# Altium PCB FlightControlBoard.PcbDoc (part 2 of 3)
Units mm, origin at the board's own origin, x right, y up, seen from the top; angles counter-clockwise.
Board outline 24.4 x 39.4 mm, 6 copper layers (Top Layer, Layer 1, Layer 2, Layer 3, Layer 4, Bottom Layer), stack 0.98 mm thick; 258 components, 219 nets, 961 pads, 811 vias.
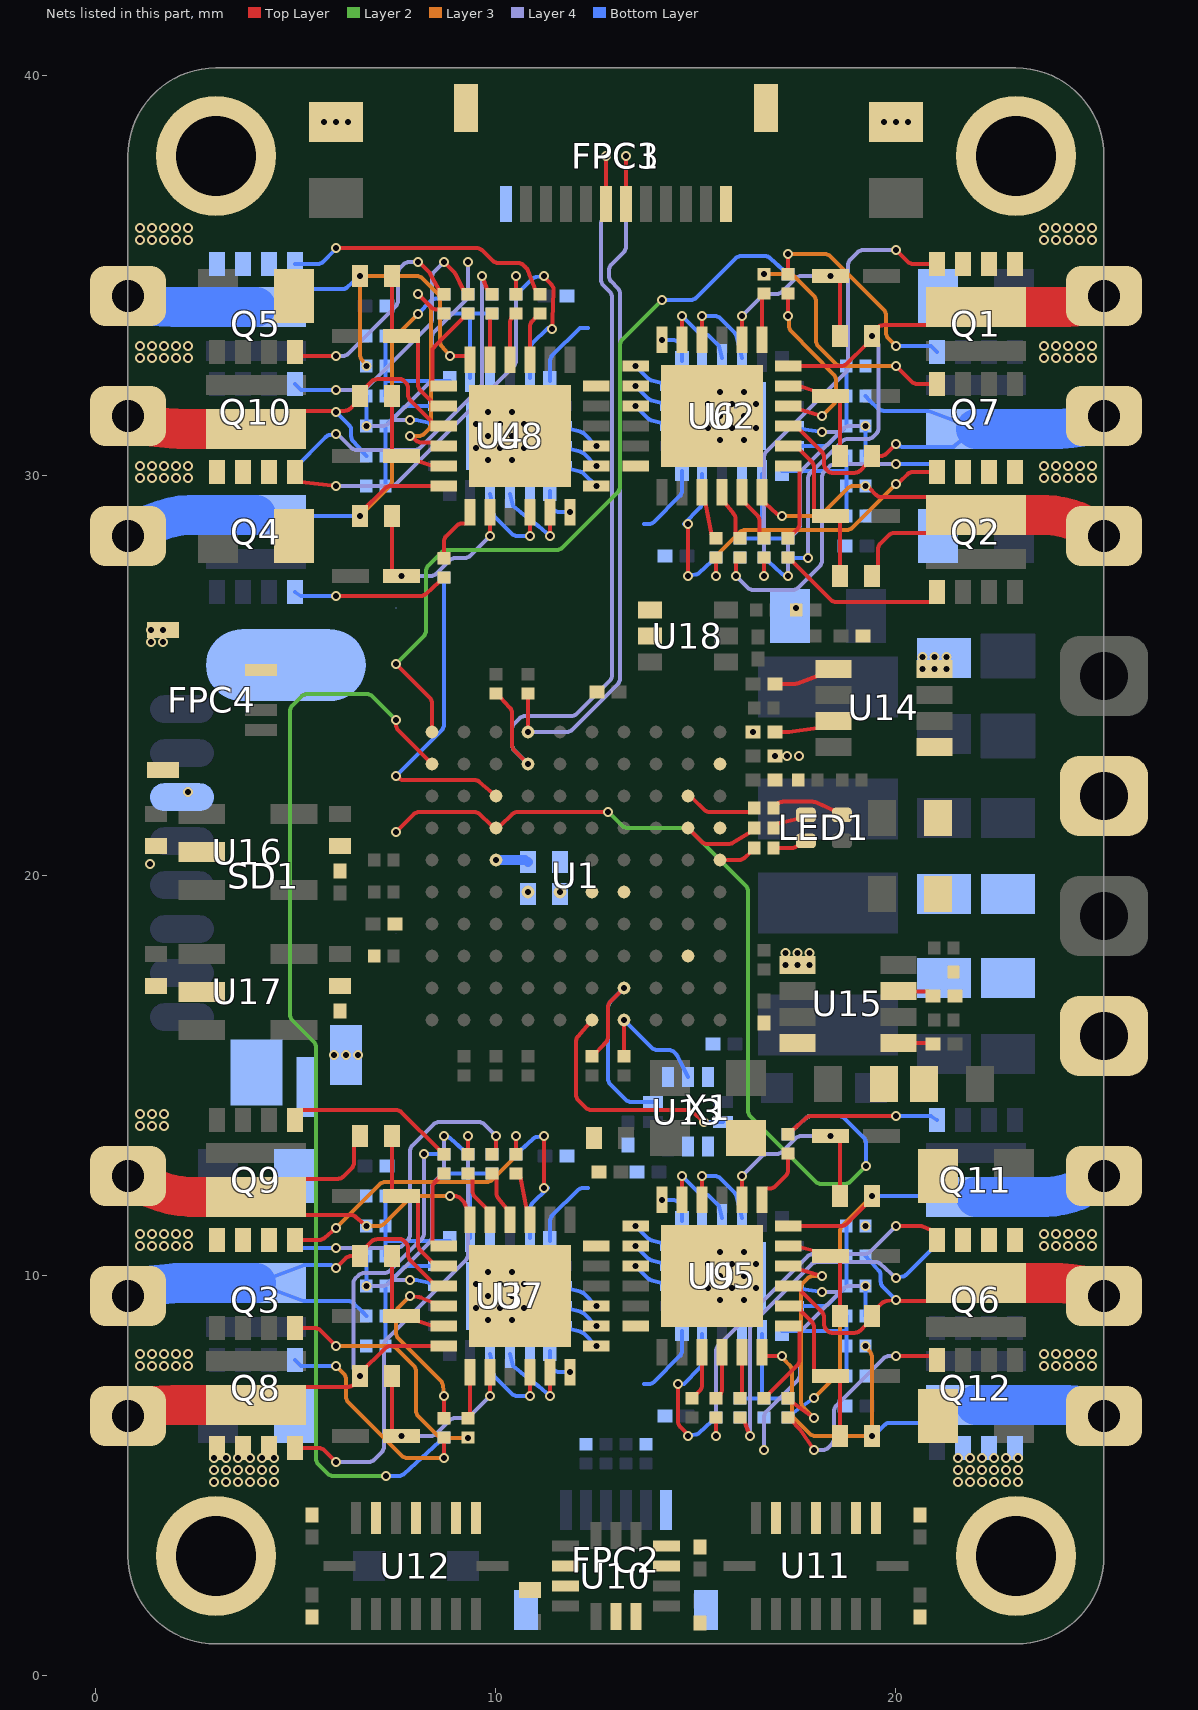
[diagram p6: the nets of this part, all layers, seen from the top]

## Via types
v1: diameter 0.25, hole 0.15, Top Layer to Bottom Layer, tented both sides, 811 vias

## Nets (pads, with @x,y where several pads share a name; then routed paths per layer and width w, separated by ;. In a path a pad name is that pad's centre, name@x,y a point inside that pad or via, vN(x,y) a via of type N, cw(c..) or ccw(c..) an arc to the next point about the centre after c; other vN are vias at no path point) (continued)
GND: C1.2 C2.2 C3.1 C4.1 C5.1 C6.1 C7.1 C8.1 C9.2 C10.2 C11.2 C12.2 C13.1 C14.1 C15.1 C16.1 C29.2 C30.2 C31.2 C32.2 C33.2 C34.1 C35.1 C36.1 C37.2 C38.2 C39.2 C40.2 C41.2 C42.2 C43.1 C45.1 C47.2 C48.2 C49.2 C50.2 C51.2 C52.2 C53.2 C54.2 C56.2 C57.2 C58.2 C59.2 C60.2 C61.2 C62.2 C63.2 C64.2 C65.2 C66.2 C67.2 C68.2 C69.2 C70.2 C71.2 C72.2 C73.2 FPC1.12 FPC1.13 FPC1.14 FPC2.6 FPC2.7 FPC2.8 FPC3.12 FPC3.13 FPC3.14 FPC4.4 FPC4.5 FPC4.6 H1.1 H2.1 H3.1 H4.1 P29.1 P31.1 P32.1 Q1.5 Q1.6 Q1.7 Q2.5 Q2.6 Q2.7 Q3.5 Q3.6 Q3.7 Q4.5 Q4.6 Q4.7 Q5.5 Q5.6 Q5.7 Q6.5 Q6.6 Q6.7 Q7.5 Q7.6 Q7.7 Q8.5 Q8.6 Q8.7 Q9.5 Q9.6 Q9.7 Q10.5 Q10.6 Q10.7 Q11.5 Q11.6 Q11.7 Q12.5 Q12.6 Q12.7 R2.2 R27.1 R29.1 R31.1 R33.1 R35.1 R37.1 R39.1 R41.1 R43.1 R45.1 R47.1 R49.1 R83.1 R84.2 R87.1 R88.1 R93.1 SD1.6 SD1.9 SD1.10 SD1.11 U1.C2 U1.E4 U1.E5 U1.E6 U1.G1 U1.J1 U2.3 U2.12 U2.21 U3.3 U3.12 U3.21 U4.3 U4.12 U4.21 U5.3 U5.12 U5.21 U6.6 U6.25 U7.6 U7.25 U8.6 U8.25 U9.6 U9.25 U10.2 U10.3 U10.6 U10.7 U10.10 U10.11 U11.2 U11.4 U11.6 U11.7 U12.2 U12.4 U12.6 U12.7 U13.3 U13.5 U13.8 U13.9 U14.1 U14.4 U15.1 U15.4 U16.2 U17.2 U18.1 U18.2 X1.2
  other v1: 2.95,4.85 3.25,4.85 3.55,4.85 3.85,4.85 4.15,4.85 4.45,4.85 21.55,4.85 21.85,4.85 22.15,4.85 22.45,4.85 22.75,4.85 23.05,4.85 2.95,5.15 3.25,5.15 3.55,5.15 3.85,5.15 4.15,5.15 4.45,5.15 21.55,5.15 21.85,5.15 22.15,5.15 22.45,5.15 22.75,5.15 23.05,5.15 2.95,5.45 3.25,5.45 3.55,5.45 3.85,5.45 4.15,5.45 4.45,5.45 21.55,5.45 21.85,5.45 22.15,5.45 22.45,5.45 22.75,5.45 23.05,5.45 1.1,7.75 1.4,7.75 1.7,7.75 2,7.75 2.3,7.75 23.7,7.75 24,7.75 24.3,7.75 24.6,7.75 24.9,7.75 1.1,8.05 1.4,8.05 1.7,8.05 2,8.05 2.3,8.05 23.7,8.05 24,8.05 24.3,8.05 24.6,8.05 24.9,8.05 9.799,8.9 10.399,8.9 9.499,9.2 10.099,9.2 10.699,9.2 15.601,9.4 16.201,9.4 9.799,9.5 10.399,9.5 15.301,9.7 15.901,9.7 16.501,9.7 9.499,9.8 10.099,9.8 10.699,9.8 15.601,10 16.201,10 9.799,10.1 10.399,10.1 15.301,10.3 15.901,10.3 16.501,10.3 15.601,10.6 16.201,10.6 1.1,10.75 1.4,10.75 1.7,10.75 2,10.75 2.3,10.75 23.7,10.75 24,10.75 24.3,10.75 24.6,10.75 24.9,10.75 1.1,11.05 1.4,11.05 1.7,11.05 2,11.05 2.3,11.05 23.7,11.05 24,11.05 24.3,11.05 24.6,11.05 24.9,11.05 19.242,11.25 1.1,13.75 1.4,13.75 1.7,13.75 1.1,14.05 1.4,14.05 1.7,14.05 5.95,15.52 6.25,15.52 6.55,15.52 17.24,17.775 17.54,17.775 17.84,17.775 17.24,18.075 17.54,18.075 17.84,18.075 11.6,19.6 1.35,20.3 2.3,22.1 16.974,23 17.274,23 17.574,23 16.426,23.6 20.66,25.175 20.96,25.175 21.26,25.175 20.66,25.475 20.96,25.475 21.26,25.475 1.375,25.85 1.675,25.85 1.375,26.15 1.675,26.15 17.5,26.7 1.1,29.95 1.4,29.95 1.7,29.95 2,29.95 2.3,29.95 23.7,29.95 24,29.95 24.3,29.95 24.6,29.95 24.9,29.95 1.1,30.25 1.4,30.25 1.7,30.25 2,30.25 2.3,30.25 23.7,30.25 24,30.25 24.3,30.25 24.6,30.25 24.9,30.25 9.799,30.4 10.399,30.4 9.499,30.7 10.099,30.7 10.699,30.7 15.601,30.9 16.201,30.9 9.799,31 10.399,31 15.301,31.2 15.901,31.2 16.501,31.2 9.499,31.3 10.099,31.3 10.699,31.3 15.601,31.5 16.201,31.5 9.799,31.6 10.399,31.6 15.301,31.8 15.901,31.8 16.501,31.8 15.601,32.1 16.201,32.1 1.1,32.95 1.4,32.95 1.7,32.95 2,32.95 2.3,32.95 23.7,32.95 24,32.95 24.3,32.95 24.6,32.95 24.9,32.95 1.1,33.25 1.4,33.25 1.7,33.25 2,33.25 2.3,33.25 23.7,33.25 24,33.25 24.3,33.25 24.6,33.25 24.9,33.25 1.1,35.9 1.4,35.9 1.7,35.9 2,35.9 2.3,35.9 23.7,35.9 24,35.9 24.3,35.9 24.6,35.9 24.9,35.9 1.1,36.2 1.4,36.2 1.7,36.2 2,36.2 2.3,36.2 23.7,36.2 24,36.2 24.3,36.2 24.6,36.2 24.9,36.2 5.7,38.85 6,38.85 6.3,38.85 19.7,38.85 20,38.85 20.3,38.85
I2C1_Data_Ready: U1.A5 U13.7 | length 6
  Top Layer w0.1: U1.A5@12.4,16.4 12.048,15.987 ccw(c12.2,15.858) 12,15.858 12,14.533 ccw(c12.2,14.533) 12.058,14.392 12.242,14.208 ccw(c12.383,14.35) 12.383,14.15 14.781,14.15 cw(c14.781,13.95) 14.912,14.101 v1(15.2,13.85)
  Bottom Layer w0.1: v1(15.2,13.85) 15.471,13.85 U13.7@15.671,13.85
I2C1_SCL: R75.1 U1.B4 U13.2 | length 5.8
  Top Layer w0.1: R75.1@12.4,15.492 12.512,15.593 12.745,15.835 ccw(c12.6,15.973) 12.8,15.973 12.8,16.717 cw(c13,16.717) 12.859,16.859 v1(13.2,17.2)
  Bottom Layer w0.1: v1(13.2,17.2) 12.856,16.844 ccw(c13,16.705) 12.8,16.705 12.8,14.933 ccw(c13,14.933) 12.858,14.792 13.242,14.408 ccw(c13.383,14.55) 13.383,14.35 13.729,14.35 U13.2@13.929,14.35
I2C1_SDA: R74.1 U1.A4 U13.4 | length 3.2
  Top Layer w0.1: R74.1@13.2,15.492 13.2,15.593 v1(13.2,16.4)
  Bottom Layer w0.1: v1(13.2,16.4) 13.891,15.709 ccw(c14.033,15.85) 14.033,15.65 14.317,15.65 cw(c14.317,15.45) 14.459,15.591 14.496,15.554 cw(c14.355,15.412) 14.534,15.502 14.7,15.169 U13.4@14.8,14.969
I2C2_SCL: FPC1.6 R77.1 U1.J7 | length 20.3
  Top Layer w0.1: R77.1@10,24.558 R77.1@10.112,24.457 ; R77.1@10.112,24.456 10.344,24.215 cw(c10.2,24.077) 10.4,24.077 10.4,23.283 ccw(c10.6,23.283) 10.458,23.142 v1(10.8,22.8) ; FPC1.6@12.75,37 12.75,37.2 v1(12.75,38)
  Layer 4 w0.1: v1(10.8,22.8) 10.458,23.142 cw(c10.6,23.283) 10.4,23.283 10.4,23.667 cw(c10.6,23.667) 10.458,23.808 10.592,23.942 cw(c10.733,23.8) 10.733,24 11.884,24 ccw(c11.884,24.2) 12.025,24.058 12.842,24.875 ccw(c12.7,25.016) 12.9,25.016 12.9,34.467 ccw(c12.7,34.467) 12.841,34.609 12.684,34.766 cw(c12.825,34.908) 12.625,34.908 12.625,36.309 cw(c12.825,36.309) 12.683,36.451 12.692,36.459 ccw(c12.55,36.6) 12.75,36.6 v1(12.75,38)
I2C2_SDA: FPC1.7 R76.1 U1.K7 | length 18.2
  Top Layer w0.1: v1(10.8,23.6) 10.8,24.457 R76.1@10.8,24.558 ; FPC1.7@13.25,37 13.25,37.2 v1(13.25,38)
  Layer 4 w0.1: v1(10.8,23.6) 11.767,23.6 ccw(c11.767,23.8) 11.908,23.658 13.042,24.792 ccw(c12.9,24.933) 13.1,24.933 13.1,34.558 ccw(c12.9,34.558) 13.041,34.699 12.884,34.856 cw(c13.025,34.998) 12.825,34.998 12.825,35.142 cw(c13.025,35.142) 12.883,35.283 13.192,35.592 ccw(c13.05,35.733) 13.25,35.733 v1(13.25,38)
LED_BLUE: R3.2 U1.H2 | length 1.8
  Top Layer w0.1: U1.H2@14.8,22 14.802,22 cw(c14.775,21.802) 14.917,21.943 15.201,21.659 ccw(c15.342,21.8) 15.342,21.6 16.357,21.6 R3.2@16.458,21.7
LED_GREEN: R4.2 U1.G2 | length 1.9
  Top Layer w0.1: U1.G2@14.8,21.2 ccw(c14.962,21.317) 14.82,21.176 15.138,20.858 ccw(c15.279,21) 15.279,20.8 15.817,20.8 ccw(c15.817,21) 15.919,20.828 16.357,21.088 R4.2@16.458,21.2
LED_RED: R5.2 U1.F1 | length 1
  Top Layer w0.1: U1.F1@15.6,20.4 ccw(c15.604,20.6) 15.604,20.4 16.077,20.4 ccw(c16.077,20.6) 16.214,20.454 16.357,20.588 R5.2@16.458,20.7
M1_AIN: R14.2 R26.1 R27.2 U2.2 | length 2.8
  Bottom Layer w0.1: R27.2@16.1,28.442 R14.2@16.7,28.442 ; U2.2@16.651,30.05 16.651,28.543 R14.2@16.7,28.442 ; R26.1@17.3,28.442 R14.2@16.7,28.442
M1_BIN: R15.2 R34.1 R35.2 U2.20 | length 3.1
  Bottom Layer w0.1: U2.20@17.351,30.75 18.186,30.75 ccw(c18.186,30.95) 18.327,30.808 18.657,31.138 R15.2@18.758,31.25 R35.2@18.758,32.75
M1_C: R14.1 R15.1 R16.1 U2.19 | length 7.6
  Layer 4 w0.1: v1(17.3,27.5) 17.3,28.317 cw(c17.5,28.317) 17.358,28.458 17.542,28.642 ccw(c17.4,28.783) 17.6,28.783 17.6,30.017 cw(c17.8,30.017) 17.658,30.158 18.6,31.1 ; v1(18.15,31.1) 18.6,31.1 ; v1(19.242,31.25) 18.833,31.25 ccw(c18.833,31.05) 18.692,31.192 18.6,31.1
  Bottom Layer w0.1: R14.1@16.7,27.958 16.812,27.857 17.135,27.564 ccw(c17.27,27.712) 17.226,27.516 v1(17.3,27.5) ; U2.19@17.351,31.25 17.651,31.175 v1(18.15,31.1) ; R16.1@19.242,30.5 v1(19.242,31.25)
M1_C2CK: P4.1 R6.2 U2.5 | length 3.6
  Top Layer w0.1: v1(14.8,27.5) v1(14.8,28.8)
  Bottom Layer w0.1: P4.1@14.7,28.8 15.093,29.193 ccw(c14.952,29.334) 15.152,29.334 U2.5@15.152,30.05 ; v1(14.8,27.5) 14.983,27.532 ccw(c14.949,27.729) 15.083,27.581 15.388,27.857 R6.2@15.5,27.958
M1_C2D: P5.1 U2.6 | length 1.8
  Bottom Layer w0.1: P5.1@13.7,28.8 13.819,28.8 ccw(c13.818,29) 13.945,28.846 14.593,29.493 ccw(c14.451,29.634) 14.651,29.634 U2.6@14.651,30.123
M1_CIN: R16.2 R42.1 R43.2 U2.1 | length 3.1
  Bottom Layer w0.1: U2.1@17.152,30.123 18.733,30.123 ccw(c18.732,30.323) 18.758,30.125 ; R43.2@18.758,29 18.758,30.125 ; R16.2@18.758,30.5 18.758,30.125
M1_HIN1: U2.14 U6.22 | length 2.2
  Top Layer w0.1: U6.22@15.15,33.408 15.15,33.69 15.15,33.996 ccw(c14.95,33.996) v1@15.15,33.999
  Bottom Layer w0.1: v1(15.15,34) 15.467,34 cw(c15.467,33.8) 15.609,33.941 15.963,33.587 cw(c15.821,33.446) 16.015,33.495 16.077,33.25 U2.14@16.152,32.95
M1_HIN2: U2.13 U6.23 | length 2.1
  Top Layer w0.1: U6.23@14.65,33.408 14.65,33.69 v1@14.65,33.999
  Bottom Layer w0.1: v1(14.65,34) 15.042,33.608 ccw(c15.183,33.75) 15.184,33.55 15.194,33.55 cw(c15.194,33.35) 15.335,33.491 15.537,33.289 15.576,33.25 U2.13@15.651,32.95
M1_HIN3: U2.11 U6.24 | length 0.9
  Bottom Layer w0.1: v1(14.15,33.4) 14.421,33.4 cw(c14.421,33.2) 14.562,33.341 14.591,33.313 cw(c14.449,33.171) 14.649,33.173 14.65,33.077 U2.11@14.651,32.877
M1_HO1: R50.2 U6.19 | length 1.2
  Top Layer w0.1: U6.19@16.65,33.408 16.65,34.457 R50.2@16.7,34.558
M1_HO2: R62.2 U6.16 | length 4.5
  Top Layer w0.1: v1(17.3,34) R62.2@17.3,34.558 ; U6.16@17.308,31.75 17.59,31.66 v1(18.15,31.5)
  Layer 3 w0.1: v1@17.301,33.999 cw(c17.129,33.897) 17.329,33.897 17.329,33.754 ccw(c17.529,33.754) 17.387,33.613 18.443,32.534 cw(c18.3,32.394) 18.5,32.394 18.5,31.933 cw(c18.3,31.933) 18.442,31.792 v1(18.15,31.5)
M1_HO3: R51.2 U6.13 | length 2
  Top Layer w0.1: R51.2@17.3,28.442 17.412,28.543 17.532,28.663 ccw(c17.39,28.804) 17.59,28.804 17.59,30.16 U6.13@17.5,30.25
M1_LIN1: U2.10 U6.1 | length 1.1
  Bottom Layer w0.1: v1(13.492,32.75) 13.802,32.44 ccw(c13.943,32.583) 13.894,32.389 14.149,32.325 U2.10@14.449,32.25
M1_LIN2: U2.9 U6.2 | length 1.1
  Bottom Layer w0.1: v1(13.492,32.25) 13.802,31.941 ccw(c13.943,32.083) 13.894,31.889 14.149,31.825 U2.9@14.449,31.75
M1_LIN3: U2.8 U6.3 | length 1.1
  Bottom Layer w0.1: v1(13.492,31.75) 13.802,31.44 ccw(c13.943,31.583) 13.894,31.389 14.149,31.325 U2.8@14.449,31.25
M1_LO1: R56.2 U6.11 | length 1.2
  Top Layer w0.1: U6.11@16.15,29.4 16.24,29.31 16.529,29.021 cw(c16.388,28.879) 16.588,28.879 16.588,28.543 R56.2@16.7,28.442
M1_LO2: R68.2 U6.10 | length 1.3
  Top Layer w0.1: U6.10@15.65,29.592 U6.10@15.74,29.31 ; U6.10@15.74,29.309 15.944,29.054 cw(c15.788,28.929) 15.988,28.929 15.988,28.543 R68.2@16.1,28.442
M1_LO3: R57.2 U6.9 | length 1.2
  Top Layer w0.1: U6.9@15.15,29.592 15.24,29.31 15.388,28.543 R57.2@15.5,28.442
M1_PWM: P12.1 R10.2 U1.K10 | length 19.3
  Top Layer w0.1: v1(7.5,25.3) 8.341,24.459 cw(c8.2,24.317) 8.4,24.317 U1.K10@8.4,23.6
  Layer 2 w0.1: v1(7.5,25.3) 8.192,25.992 ccw(c8.05,26.133) 8.25,26.133 8.25,27.617 cw(c8.45,27.617) 8.308,27.758 8.642,28.092 cw(c8.783,27.95) 8.783,28.15 11.517,28.15 ccw(c11.517,28.35) 11.658,28.208 13.042,29.592 ccw(c12.9,29.733) 13.1,29.733 13.1,33.267 cw(c13.3,33.267) 13.158,33.408 v1(14.15,34.4)
  Bottom Layer w0.1: v1(14.15,34.4) 14.867,34.4 ccw(c14.867,34.6) 15.008,34.458 15.992,35.442 cw(c16.133,35.3) 16.133,35.5 16.717,35.5 cw(c16.717,35.3) 16.852,35.448 17.188,35.143 R10.2@17.3,35.042
M1_VB1: C17.2 D1.1 U6.20 | length 4.8
  Top Layer w0.1: U6.20@16.15,33.408 16.15,33.69 16.15,33.996 ccw(c15.95,33.996) v1(16.15,34) ; v1(18.365,35) 18.6,34.87 C17.2@18.6,33.5
  Layer 4 w0.1: v1(16.15,34) 16.642,34.492 cw(c16.783,34.35) 16.783,34.55 17.017,34.55 ccw(c17.017,34.75) 17.158,34.608 17.492,34.942 cw(c17.633,34.8) 17.633,35 v1(18.365,35)
M1_VB2: C18.2 D2.1 U6.17 | length 2.7
  Top Layer w0.1: U6.17@17.308,32.25 17.59,32.243 U6.17@17.616,32.234 ; U6.17@17.617,32.234 17.95,32.13 D2.1@18.365,32 18.6,31.87 C18.2@18.6,30.5
M1_VB3: C19.2 D3.1 U6.14 | length 3.9
  Top Layer w0.1: U6.14@17.5,30.75 17.59,30.66 17.891,30.359 cw(c17.75,30.217) 17.95,30.217 17.95,29.13 18.47,29 18.6,28.87 C19.2@18.6,27.5
M1_VS1: C17.1 P16.1 Q1.10 R26.2 U6.18 | length 15.8
  Top Layer w0.1: U6.18@17.308,32.75 18.637,32.75 ccw(c18.637,32.95) 18.778,32.808 19.25,33.28 v1(19.4,33.5) 19.4,33.57 19.55,33.72 19.559,33.727 cw(c19.683,33.57) 19.683,33.77 21.468,33.77 Q1.10@22,34.22
  Top Layer w1: Q1.10@22,34.22 24.178,34.22 ccw(c24.178,36.22) 24.3,34.224 24.75,34.25 P16.1@25.2,34.5
  Layer 4 w0.1: v1@17.8,27.948 17.8,29.934 cw(c18,29.934) 17.858,30.075 18.65,30.867 cw(c18.791,30.725) 18.791,30.925 19.293,30.925 ccw(c19.293,31.125) 19.434,30.983 19.508,31.057 ccw(c19.367,31.198) 19.567,31.198 19.567,33.249 ccw(c19.367,33.249) 19.509,33.39 v1(19.4,33.5)
  Bottom Layer w0.1: R26.2@17.3,27.958 17.412,27.95 v1(17.8,27.95)
M1_VS2: C18.1 P22.1 Q7.10 R34.2 U6.15 | length 11.9
  Top Layer w0.1: U6.15@17.5,31.25 17.59,31.16 18.141,30.609 cw(c18,30.467) 18.2,30.467 18.2,30.301 ccw(c18.4,30.301) 18.258,30.16 18.293,30.125 ccw(c18.4,30.23) 18.4,30.08 18.967,30.08 ccw(c18.967,30.28) 19.108,30.138 19.25,30.28 C18.1@19.4,30.5 19.617,30.5 ccw(c19.617,30.7) 19.758,30.558 v1(20,30.8)
  Bottom Layer w0.1: R34.2@19.242,32 19.343,31.888 19.555,31.685 ccw(c19.693,31.83) 19.693,31.63 20.8,31.63 Q7.10@22,31.18 21.433,30.73 21.363,30.73 20.153,30.73 cw(c20.153,30.93) 20.011,30.789 v1(20,30.8)
  Bottom Layer w1: Q7.10@22,31.18 24.105,31.18 ccw(c24.105,33.18) 24.378,31.198 24.75,31.25 P22.1@25.2,31.5
M1_VS3: C19.1 P17.1 Q2.10 R42.2 U6.12 | length 13
  Top Layer w0.1: U6.12@16.65,29.592 16.74,29.31 17.027,29.052 ccw(c17.161,29.2) v1(17.15,29) ; v1(19.242,29.75) 19.243,29.75 cw(c19.193,29.556) 19.335,29.697 19.502,29.53 ccw(c19.645,29.67) 19.645,29.47 20.8,29.47 Q2.10@22,29.02 21.468,28.57 19.953,28.57 ccw(c19.953,28.37) 19.812,28.512 19.608,28.308 ccw(c19.75,28.167) 19.55,28.167 19.55,27.72 C19.1@19.4,27.5
  Top Layer w1: Q2.10@22,29.02 23.745,29.02 cw(c23.745,27.02) 24.717,28.769 24.75,28.75 P17.1@25.2,28.5
  Layer 3 w0.1: v1(17.15,29) 18.017,29 ccw(c18.017,29.2) 18.158,29.058 18.792,29.692 cw(c18.933,29.55) 18.933,29.75 v1(19.242,29.75)
M2_AIN: R17.2 R28.1 R29.2 U3.2 | length 2.8
  Bottom Layer w0.1: R28.1@8.7,12.558 R17.2@9.3,12.558 ; U3.2@9.349,10.95 9.349,12.457 R17.2@9.3,12.558 ; R29.2@9.9,12.558 R17.2@9.3,12.558
M2_BIN: R18.2 R36.1 R37.2 U3.20 | length 3.1
  Bottom Layer w0.1: R37.2@7.242,8.25 R18.2@7.242,9.75 7.343,9.862 7.673,10.192 cw(c7.814,10.05) 7.814,10.25 U3.20@8.649,10.25
M2_C: R17.1 R18.1 R19.1 U3.19 | length 7.6
  Layer 4 w0.1: v1(6.758,9.75) 7.167,9.75 ccw(c7.167,9.95) 7.308,9.808 7.4,9.9 ; v1(7.85,9.9) 7.4,9.9 ; v1(8.7,13.5) 8.7,12.683 cw(c8.5,12.683) 8.642,12.542 8.458,12.358 ccw(c8.6,12.217) 8.4,12.217 8.4,10.983 cw(c8.2,10.983) 8.342,10.842 7.4,9.9
  Bottom Layer w0.1: v1(6.758,9.75) R19.1@6.758,10.5 ; v1(7.85,9.9) 7.967,9.9 cw(c7.967,9.7) 8.008,9.896 8.349,9.825 U3.19@8.649,9.75 ; v1(8.7,13.5) 8.779,13.481 cw(c8.732,13.286) 8.867,13.435 9.188,13.143 R17.1@9.3,13.042
M2_C2CK: P6.1 R7.2 U3.5 | length 3.6
  Top Layer w0.1: v1(11.2,12.2) v1(11.2,13.5)
  Bottom Layer w0.1: R7.2@10.5,13.042 10.612,13.143 10.926,13.428 cw(c11.06,13.28) 11.034,13.478 v1(11.2,13.5) ; U3.5@10.848,10.95 10.848,11.666 cw(c11.048,11.666) 10.907,11.807 P6.1@11.3,12.2
M2_C2D: P7.1 U3.6 | length 1.8
  Bottom Layer w0.1: U3.6@11.349,10.877 11.349,11.366 cw(c11.549,11.366) 11.407,11.507 12.054,12.154 cw(c12.182,12) 12.182,12.2 P7.1@12.3,12.2
M2_CIN: R19.2 R44.1 R45.2 U3.1 | length 3.1
  Bottom Layer w0.1: R19.2@7.242,10.5 R45.2@7.242,12 ; 7.242,10.875 cw(c7.268,10.677) 7.268,10.877 U3.1@8.848,10.877
M2_HIN1: U3.14 U7.22 | length 2.3
  Top Layer w0.1: v1(10.85,7) ccw(c10.65,7.002) 10.85,7.003 10.85,7.31 U7.22@10.85,7.592
  Bottom Layer w0.1: U3.14@9.848,8.05 9.923,7.75 9.923,7.609 ccw(c10.123,7.609) 9.982,7.468 10.392,7.058 ccw(c10.533,7.2) 10.533,7 v1(10.85,7)
M2_HIN2: U3.13 U7.23 | length 2.1
  Top Layer w0.1: v1(11.35,7) ccw(c11.15,7.003) 11.35,7.003 11.35,7.31 U7.23@11.35,7.592
  Bottom Layer w0.1: U3.13@10.349,8.05 10.424,7.75 10.629,7.584 ccw(c10.723,7.7) 10.631,7.582 11.049,7.257 cw(c10.85,7) 11.061,7.247 v1(11.35,7)
M2_HIN3: U3.11 U7.24 | length 0.9
  Bottom Layer w0.1: U3.11@11.349,8.123 11.35,7.923 11.351,7.827 ccw(c11.551,7.829) 11.409,7.687 11.437,7.659 ccw(c11.579,7.8) 11.579,7.6 v1(11.85,7.6)
M2_HO1: R63.2 U7.19 | length 1.2
  Top Layer w0.1: R63.2@9.3,6.442 9.35,6.543 U7.19@9.35,7.592
M2_HO2: R52.2 U7.16 | length 4.5
  Top Layer w0.1: v1(7.85,9.5) 8.046,9.471 cw(c8.046,9.271) 8.121,9.457 U7.16@8.409,9.34 ; U7.16@8.41,9.34 U7.16@8.692,9.25 ; R52.2@8.7,6.442 v1(8.7,7)
  Layer 3 w0.1: v1(7.85,9.5) 7.558,9.208 ccw(c7.7,9.067) 7.5,9.067 7.5,8.583 ccw(c7.7,8.583) 7.559,8.441 8.613,7.387 cw(c8.472,7.245) 8.671,7.267 8.7,7.002 ccw(c8.899,7.02) v1(8.7,7)
M2_HO3: R64.2 U7.13 | length 2.1
  Top Layer w0.1: U7.13@8.692,10.75 8.41,10.84 8.41,12.196 cw(c8.61,12.196) 8.468,12.337 8.588,12.457 R64.2@8.7,12.558
M2_LIN1: U3.10 U7.1 | length 1.1
  Bottom Layer w0.1: U3.10@11.551,8.75 11.851,8.675 12.106,8.611 cw(c12.057,8.417) 12.199,8.559 v1(12.508,8.25)
M2_LIN2: U3.9 U7.2 | length 1.1
  Bottom Layer w0.1: U3.9@11.551,9.25 11.851,9.175 12.106,9.111 cw(c12.057,8.917) 12.199,9.059 v1(12.508,8.75)
M2_LIN3: U3.8 U7.3 | length 1.1
  Bottom Layer w0.1: U3.8@11.551,9.75 11.851,9.675 12.106,9.611 cw(c12.057,9.417) 12.199,9.559 v1(12.508,9.25)
M2_LO1: R69.2 U7.11 | length 1.4
  Top Layer w0.1: R69.2@9.3,12.558 9.412,12.457 9.412,12.121 ccw(c9.612,12.121) 9.471,11.979 9.76,11.69 U7.11@9.85,11.408
M2_LO2: R58.2 U7.10 | length 1.3
  Top Layer w0.1: R58.2@9.9,12.558 10.012,12.457 10.012,12.071 ccw(c10.212,12.071) 10.056,11.946 10.26,11.69 U7.10@10.35,11.408
M2_LO3: R70.2 U7.9 | length 1.2
  Top Layer w0.1: R70.2@10.5,12.558 10.612,12.457 10.76,11.69 U7.9@10.85,11.408
M2_PWM: P13.1 R11.2 U1.J10 | length 27.3
  Top Layer w0.1: v1(7.5,23.9) 7.5,23.783 ccw(c7.7,23.783) 7.558,23.642 8.396,22.804 ccw(c8.537,22.946) U1.J10@8.399,22.801
  Layer 2 w0.1: v1(7.25,5) 5.933,5 cw(c5.933,5.2) 5.792,5.058 5.558,5.292 cw(c5.7,5.433) 5.5,5.433 5.5,15.717 ccw(c5.3,15.717) 5.441,15.859 4.909,16.391 cw(c5.05,16.533) 4.85,16.533 4.85,24.117 cw(c5.05,24.117) 4.908,24.258 5.142,24.492 cw(c5.283,24.35) 5.283,24.55 6.767,24.55 cw(c6.767,24.35) 6.909,24.491 v1(7.5,23.9)
  Bottom Layer w0.1: v1(7.25,5) 7.566,5 ccw(c7.566,5.2) 7.7,5.051 8.588,5.857 R11.2@8.7,5.958
M2_VB1: C20.2 D4.1 U7.20 | length 4.8
  Top Layer w0.1: C20.2@7.4,7.5 7.4,6.13 v1(7.635,6) ; v1@9.85,7.002 9.85,7.31 U7.20@9.85,7.592
  Layer 4 w0.1: v1(7.635,6) 8.367,6 ccw(c8.367,6.2) 8.508,6.058 8.842,6.392 cw(c8.983,6.25) 8.983,6.45 9.217,6.45 ccw(c9.217,6.65) 9.358,6.508 v1(9.85,7)
M2_VB2: C21.2 D5.1 U7.17 | length 2.7
  Top Layer w0.1: C21.2@7.4,10.5 7.4,9.13 D5.1@7.635,9 8.05,8.87 8.383,8.766 ccw(c8.443,8.957) 8.41,8.759 U7.17@8.692,8.75
M2_VB3: C22.2 D6.1 U7.14 | length 4
  Top Layer w0.1: C22.2@7.4,13.5 7.4,12.13 D6.1@7.635,12 8.05,11.87 8.05,10.783 ccw(c8.25,10.783) 8.109,10.641 8.41,10.34 U7.14@8.692,10.25
M2_VS1: C20.1 P23.1 Q8.10 R28.2 U7.18 | length 15.6
  Top Layer w0.1: Q8.10@4,6.78 5.2,7.23 6.31,7.23 ccw(c6.31,7.43) 6.411,7.257 6.45,7.28 v1(6.6,7.5) 6.6,7.57 7.222,8.192 cw(c7.363,8.05) 7.363,8.25 U7.18@8.692,8.25
  Top Layer w1: P23.1@1,6.5 1.25,6.75 1.939,6.778 cw(c2.02,4.78) 2.02,6.78 Q8.10@4,6.78
  Layer 4 w0.1: v1(6.6,7.5) 6.492,7.608 cw(c6.633,7.749) 6.433,7.749 6.433,9.802 cw(c6.633,9.802) 6.492,9.943 6.566,10.017 cw(c6.707,9.875) 6.707,10.075 7.209,10.075 ccw(c7.209,10.275) 7.35,10.133 8.142,10.925 ccw(c8,11.066) 8.2,11.066 v1@8.2,13.052